# Altium PCB IMU_sensor.PcbDoc (part 2 of 2)
Units mm, origin at the board's own origin, x right, y up, seen from the top; angles counter-clockwise.
Board outline 32 x 32 mm, 4 copper layers (Top Layer, GND, GND (Mid2), Bottom Layer), stack 0.603 mm thick; 81 components, 82 nets, 327 pads, 88 vias.
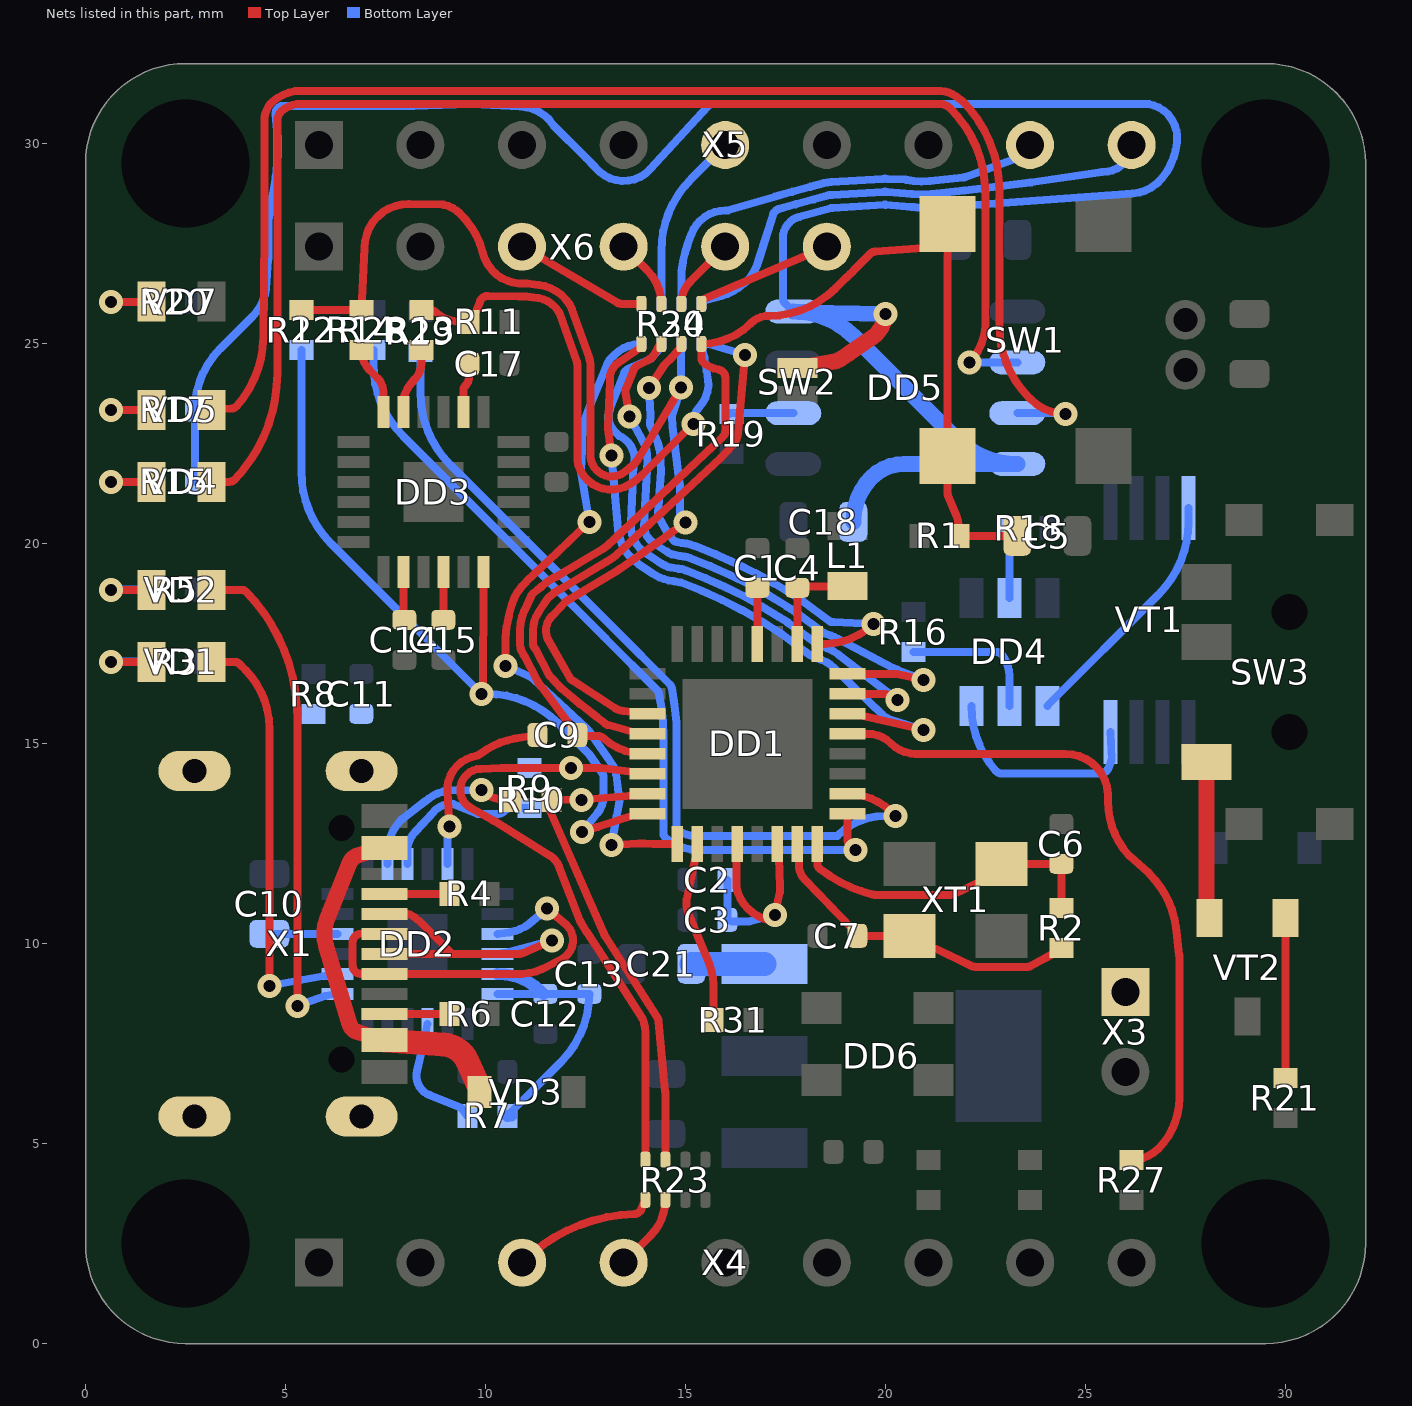
[diagram p4: the nets of this part, all layers, seen from the top]

## Via types
v1: diameter 0.6, hole 0.3, Top Layer to Bottom Layer, tented both sides, 79 vias
v2: diameter 0.6, hole 0.3, Top Layer to Bottom Layer, tented bottom, 9 vias

## Nets (pads, with @x,y where several pads share a name; then routed paths per layer and width w, separated by ;. In a path a pad name is that pad's centre, name@x,y a point inside that pad or via, vN(x,y) a via of type N, cw(c..) or ccw(c..) an arc to the next point about the centre after c; other vN are vias at no path point) (continued)
MCU_D5: DD1.9 R28.1 | length 20.9
  Top Layer w0.2: DD1.9@19.05,13.25 19.05,12.633 ccw(c19.25,12.633) 19.108,12.492 v1(19.25,12.35)
  Bottom Layer w0.2: R28.1@7.2,24.85 7.2,24.493 ccw(c9.74,24.493) 7.944,22.697 12.954,17.687 13,17.641 14.292,16.347 cw(c14.15,16.205) 14.346,16.246 cw(c9.1,15.198) 14.45,15.198 14.45,12.786 ccw(c14.65,12.787) 14.52,12.635 ccw(c15.295,13.545) 15.295,12.35 v1(19.25,12.35)
MCU_D6: DD1.10 R29.1 | length 21.4
  Top Layer w0.2: DD1.10@19.05,13.75 cw(c19.05,12.181) 20.16,13.29 v1(20.25,13.2)
  Bottom Layer w0.2: R29.1@8.378,24.8 8.378,23.775 ccw(c10.918,23.775) 9.122,21.978 13.229,17.871 14.613,16.486 cw(c14.472,16.344) 14.668,16.382 cw(c8.279,15.15) 14.775,15.528 14.775,12.9 ccw(c14.954,12.988) 14.838,12.826 ccw(c15.233,13.383) 15.233,12.7 18.8,12.7 cw(c20.007,11.493) 20.007,13.2 v1(20.25,13.2)
MCU_D9: DD1.13 R27.1 | length 17.5
  Top Layer w0.2: DD1.13@19.05,15.25 19.556,15.25 cw(c19.556,14.421) 20.143,15.007 ccw(c20.764,15.628) 20.762,14.75 24.499,14.75 cw(c24.499,13.674) 25.57,13.561 ccw(c27.545,13.548) 26.094,12.208 ccw(c26.24,12.345) 26.098,12.204 26.099,12.203 ccw(c26.24,12.345) 26.108,12.194 26.564,11.794 cw(c26.35,11.55) 26.596,11.762 26.742,11.592 cw(c26.497,11.379) 26.746,11.589 cw(c25.064,10.146) 27.263,10.417 27.349,9.721 cw(c27.15,9.697) 27.35,9.697 27.35,6.141 cw(c25.56,6.141) 26.826,4.876 cw(c26.16,5.542) R27.1@26.16,4.6
MCU_INT0_D2: DD1.32 DD3.12 R22.1 | length 20.5
  Top Layer w0.2: v1(9.9,16.25) ccw(c9.749,16.381) 9.949,16.381 9.95,19 DD3.12@9.95,19.3 ; v1(12.424,12.8) 12.799,12.92 cw(c12.86,12.729) 12.807,12.922 ccw(c12.756,13.115) 12.817,12.925 13.704,13.21 DD1.32@14.05,13.25
  Bottom Layer w0.2: R22.1@5.4,24.85 5.4,21.802 ccw(c7.94,21.802) 6.144,20.006 v1(9.9,16.25) 10.038,16.25 cw(c10.038,13.71) 11.834,15.506 12.595,14.745 12.917,14.281 cw(c12.753,14.167) 12.953,14.167 12.953,13.802 ccw(c13.153,13.802) 12.955,13.779 12.955,13.777 cw(c12.282,13.697) 12.806,13.267 v1(12.424,12.8)
MCU_INT1_D3: DD1.1 R24.2 | length 16.9
  Top Layer w0.2: v1(10.512,16.949) 10.5,17.628 cw(c10.7,17.631) 10.501,17.647 10.501,17.649 cw(c14.531,17.293) 10.663,18.479 cw(c11.912,18.089) 11.026,19.051 11.799,19.78 ccw(c11.661,19.926) 11.8,19.781 v1(12.6,20.55) ; v1(13.152,12.47) 13.838,12.509 cw(c13.849,12.309) 13.853,12.509 13.858,12.509 13.904,12.508 13.984,12.505 14.203,12.498 ccw(c14.209,12.698) 14.229,12.499 cw(c14.25,12.3) 14.25,12.5 DD1.1@14.8,12.5
  Bottom Layer w0.2: v1(10.512,16.949) 11.134,16.671 cw(c11.052,16.488) 11.188,16.635 ; 11.188,16.635 12.53,15.387 cw(c12.172,15.002) 12.602,15.304 13.044,14.676 cw(c12.88,14.561) 13.046,14.673 13.189,14.46 cw(c12.753,14.167) 13.274,14.232 13.347,13.66 ccw(c13.669,13.701) 13.347,13.657 13.349,13.644 ccw(c13.547,13.67) 13.35,13.637 13.351,13.635 cw(c13.154,13.6) 13.354,13.601 cw(c12.829,13.6) 13.344,13.501 13.286,13.199 ; 12.423,22.346 12.399,21.843 ccw(c12.923,21.817) 12.405,21.732 v1(12.6,20.55) ; 12.424,22.347 ccw(c12.224,22.355) 12.423,22.369 12.422,22.39 cw(c14.517,22.539) 12.601,23.4 ccw(c12.418,23.482) 12.603,23.405 12.978,24.307 13.079,24.549 ; 13.079,24.549 cw(c13.263,24.472) 13.122,24.613 13.229,24.72 cw(c13.9,24.049) 13.875,24.998 R24.2@13.9,24.998 ; v1(13.152,12.47) 13.28,13.168 cw(c13.477,13.132) 13.281,13.171 13.286,13.198
MCU_LED_D4: DD1.2 R31.1 | length 4.6
  Top Layer w0.2: DD1.2@15.3,12.5 15.26,12.15 15.037,11.11 ccw(c15.55,11) 15.064,10.802 15.315,10.186 15.596,9.508 cw(c14.334,8.984) 15.597,9.506 cw(c14.334,8.984) 15.7,8.984 R31.1@15.7,8.1
MCU_MISO_D12: DD1.16 R30.3 | length 15.1
  Top Layer w0.2: 13.52,23.88 ccw(c13.705,23.805) 13.508,23.771 v1(13.607,23.179) ; 13.52,23.881 13.71,24.352 cw(c13.896,24.277) 13.806,24.455 14.061,24.584 ccw(c13.971,24.763) 14.076,24.593 14.114,24.616 ccw(c13.963,24.861) 14.212,24.718 14.331,24.927 14.375,25.003 R30.3@14.4,24.998 ; DD1.16@19.05,16.75 20.251,16.75 cw(c20.251,16.55) 20.294,16.745 v1(20.95,16.6)
  Bottom Layer w0.2: v1(13.607,23.179) 13.936,22.58 cw(c13.106,22.124) 14.052,22.078 13.985,20.709 ccw(c14.185,20.701) 13.985,20.693 ; 13.985,20.693 cw(c13.461,20.674) 13.986,20.676 13.986,20.672 cw(c13.786,20.671) 13.986,20.669 cw(c13.461,20.674) 13.984,20.637 cw(c13.461,20.674) 13.975,20.568 ccw(c14.49,20.464) 14.154,20.06 ccw(c14.489,20.464) 14.195,20.029 14.197,20.028 ccw(c14.379,20.297) 14.2,20.026 14.539,19.802 ccw(c15.007,20.512) 14.64,19.745 14.642,19.744 ccw(c14.727,19.925) 14.693,19.728 14.867,19.699 ccw(c15.01,20.536) 14.878,19.697 14.96,19.684 14.972,19.682 cw(c14.827,18.844) 15.123,19.642 cw(c10.622,7.599) 17.537,18.437 17.62,18.384 17.725,18.316 cw(c17.257,17.606) 17.733,18.311 cw(c17.257,17.606) 17.767,18.287 18.409,17.807 cw(c16.258,14.922) 18.431,17.79 ccw(c18.552,17.95) 18.482,17.762 18.645,17.701 cw(c18.117,16.297) 18.825,17.62 20.19,16.892 ccw(c20.284,17.069) 20.213,16.882 ; 20.213,16.882 20.287,16.854 cw(c20.216,16.667) 20.301,16.848 ; 20.302,16.847 ccw(c20.389,17.027) 20.318,16.84 v1(20.95,16.6)
MCU_MOSI_D11: DD1.15 R24.4 | length 14.8
  Top Layer w0.2: DD1.15@19.05,16.25 19.938,16.25 cw(c19.938,15.738) v1(20.3,16.1)
  Bottom Layer w0.2: 13.64,20.503 13.655,20.821 13.709,21.97 ccw(c13.106,22.124) 13.344,22.699 13.235,22.809 cw(c13.607,23.179) 13.117,23.366 13.23,23.665 13.473,24.266 cw(c13.658,24.192) 13.577,24.374 14.098,24.606 ccw(c14.016,24.789) 14.167,24.658 14.18,24.673 14.375,24.898 R24.4@14.4,24.998 ; 13.64,20.503 ccw(c14.49,20.464) 13.647,20.35 ccw(c14.49,20.464) 13.947,19.809 ccw(c14.489,20.464) 14.018,19.757 ; 14.021,19.754 14.36,19.531 ccw(c15.007,20.512) 14.5,19.452 ccw(c14.727,19.925) 14.639,19.408 14.813,19.378 ccw(c15.01,20.536) 14.828,19.376 14.906,19.364 cw(c14.827,18.844) 15.01,19.337 cw(c10.622,7.599) 17.364,18.162 17.444,18.111 17.548,18.044 cw(c17.257,17.606) 17.55,18.042 cw(c17.257,17.606) 17.571,18.027 cw(c17.257,17.606) 17.574,18.025 18.213,17.548 18.236,17.531 ccw(c18.552,17.95) 18.366,17.459 18.532,17.397 cw(c18.117,16.297) 18.834,17.228 v1(20.3,16.1)
MCU_RESET: DD1.29 R1.2 R30.7 SW1.2 С5.1 С9.1 | length 31.2
  Top Layer w0.2: 10.863,17.515 ccw(c11.063,17.514) 10.864,17.494 10.866,17.476 ccw(c11.388,17.528) 10.941,17.253 10.958,17.225 cw(c10.512,16.949) 10.978,17.191 cw(c10.512,16.949) 10.978,17.19 11.291,16.589 ccw(c11.757,16.832) 11.336,16.518 12.175,15.395 С9.1@12.3,15.22 12.425,15.194 12.819,15.194 cw(c12.819,14.994) 12.953,15.143 ccw(c13.958,16.233) 13.7,14.772 DD1.29@14.05,14.753 ; 10.863,17.516 10.867,17.84 cw(c12.042,17.826) 10.973,18.315 11.147,18.695 cw(c11.329,18.612) 11.203,18.767 11.387,18.916 cw(c11.717,18.508) 11.407,18.932 ccw(c11.29,19.094) 11.421,18.943 11.512,19.022 cw(c11.857,18.626) 11.577,19.07 ; 11.577,19.07 11.634,19.106 cw(c11.913,18.661) 11.695,19.139 11.726,19.153 ; 11.727,19.153 11.767,19.171 ccw(c11.685,19.353) 11.787,19.182 12.955,19.882 ccw(c12.685,20.332) 13.045,19.95 15.937,22.673 ccw(c15.8,22.818) 16,22.818 16,24.157 ccw(c15.8,24.157) 15.834,24.354 cw(c15.967,25.145) 15.477,24.51 cw(c15.6,24.668) 15.4,24.667 R30.7@15.4,24.998 ccw(c15.4,26.753) 16.641,25.512 cw(c17.09,25.064) 17.09,25.698 ccw(c17.09,28.056) 18.757,26.389 19.011,26.642 ccw(c18.905,26.812) 19.046,26.67 19.111,26.735 cw(c19.253,26.594) 19.124,26.747 19.126,26.749 ccw(c18.538,27.43) 19.222,26.846 cw(c19.374,26.715) 19.233,26.857 19.631,27.255 ; 19.631,27.256 cw(c19.772,27.113) 19.757,27.312 20.95,27.4 SW1.2@21.55,28 SW1.2@21.55,22.2 21.55,21.294 ccw(c21.75,21.294) 21.565,21.217 21.772,20.718 cw(c20.826,20.326) 21.847,20.4 R1.2@21.85,20.2 С5.1@23.3,20.2
MCU_RX_D0: DD1.30 R9.2 R23.2 | length 17.1
  Top Layer w0.2: 10.215,13.074 10.213,13.074 cw(c10.279,13.263) 10.18,13.089 9.642,13.393 cw(c9.9,13.85) 9.881,14.375 10.404,14.394 cw(c10.413,14.194) 10.406,14.394 cw(c10.413,14.194) 10.413,14.394 11.494,14.396 v1@12.195,14.4 ; 10.215,13.073 cw(c10.147,12.885) 10.253,13.055 11.628,12.195 cw(c11.35,11.75) 11.84,11.938 12.365,10.583 ccw(c12.551,10.656) 12.384,10.547 cw(c11.669,10.087) 12.398,10.524 ; v1@12.193,14.397 12.873,14.394 cw(c12.872,14.194) 12.895,14.393 ; 12.398,10.523 12.536,10.295 ccw(c12.707,10.398) 12.54,10.289 12.969,9.634 cw(c12.802,9.524) 12.97,9.632 13.068,9.48 13.921,8.149 cw(c13.752,8.041) 13.936,8.12 cw(c13.147,7.797) 14,7.797 R23.2@14,4.602 ; 12.897,14.393 13.7,14.29 DD1.30@14.05,14.25
  Bottom Layer w0.2: R9.2@11.1,14.4 v1(12.145,14.4)
MCU_SCK_D13: DD1.17 R30.5 | length 12.4
  Top Layer w0.2: v1(14.092,23.89) 14.468,24.456 cw(c14.635,24.345) 14.494,24.487 14.665,24.656 ccw(c14.463,24.861) 14.68,24.673 14.875,24.898 R30.5@14.9,24.998 ; DD1.17@18.3,17.5 18.493,17.5 ccw(c18.493,19.207) v1(19.7,18)
  Bottom Layer w0.2: v1(14.092,23.89) 14.131,23.209 cw(c13.607,23.179) 14.12,23.069 ccw(c14.316,23.026) 14.129,22.955 ; 14.129,22.954 ccw(c14.316,23.026) 14.133,22.945 14.268,22.642 cw(c13.106,22.124) 14.377,22.064 14.395,21.8 14.315,20.763 ; 14.315,20.762 ccw(c14.515,20.748) 14.341,20.648 14.555,20.275 ccw(c15.01,20.536) 14.615,20.19 14.718,20.074 ccw(c14.827,20.241) 14.789,20.045 14.909,20.021 ccw(c15.01,20.536) 14.928,20.018 15.009,20.005 ; 15.01,20.005 cw(c14.96,19.684) 15.013,20.005 15.025,20.003 cw(c14.827,18.844) 15.238,19.946 cw(c10.622,7.599) 17.708,18.713 17.794,18.658 cw(c17.62,18.384) 17.796,18.657 17.798,18.656 17.901,18.589 cw(c13.004,11.181) 17.911,18.583 cw(c17.257,17.606) 17.962,18.547 18.59,18.078 ccw(c18.709,18.238) 18.7,18.039 v1(19.7,18)
MCU_SCL_A5: DD1.28 R11.1 R13.1 R24.8 | length 28.3
  Top Layer w0.2: R13.1@8.4,25.85 8.608,25.85 cw(c8.607,25.65) 8.738,25.801 ccw(c9.422,26.587) 9.45,25.545 R11.1@9.598,25.56 ; R11.1@9.618,25.561 9.75,25.75 9.869,26.064 cw(c10.056,25.993) 10.056,26.193 cw(c10.056,25.993) 10.058,26.193 10.84,26.183 cw(c10.837,25.983) 10.842,26.183 10.882,26.182 ccw(c10.916,27.514) 10.983,26.183 cw(c10.993,25.984) 11.028,26.18 ccw(c11.501,28.797) 11.205,26.155 cw(c11.204,25.41) 11.839,25.798 cw(c11.669,25.694) 11.857,25.76 12.288,24.552 cw(c12.1,24.484) 12.3,24.484 12.3,22.748 ccw(c12.5,22.749) 12.302,22.723 cw(c11.955,22.675) 12.305,22.675 12.305,22.425 cw(c11.955,22.425) 12.303,22.386 12.303,22.383 ccw(c12.825,22.332) 12.3,22.33 12.3,22.116 ccw(c12.5,22.117) 12.302,22.088 ccw(c13.152,22.212) 13.623,21.494 ccw(c12.9,22.749) 13.924,21.724 v1(15.2,23) ; 11.75,18.795 ccw(c11.857,18.626) 11.726,18.777 11.635,18.698 cw(c11.29,19.094) 11.599,18.67 ccw(c11.719,18.509) 11.553,18.621 11.338,18.302 ccw(c12.042,17.826) 11.192,17.836 11.188,17.529 ccw(c11.388,17.528) 11.219,17.422 11.235,17.395 cw(c10.512,16.949) 11.265,17.343 ccw(c11.443,17.433) 11.266,17.341 11.58,16.739 ccw(c11.757,16.832) 11.612,16.694 11.911,16.382 ccw(c12.055,16.52) 11.925,16.368 12.358,16.001 ccw(c12.486,16.154) 12.363,15.996 ; 11.751,18.795 11.807,18.831 cw(c11.913,18.661) 11.831,18.843 11.862,18.857 ; 11.863,18.858 11.903,18.876 ; 11.903,18.876 ccw(c11.685,19.353) 11.918,18.883 ccw(c11.685,19.353) 11.955,18.903 13.122,19.603 ccw(c12.685,20.332) 13.263,19.709 15.886,22.142 ccw(c15.75,22.289) 15.896,22.152 16.183,22.46 ccw(c15.8,22.818) 16.323,22.773 v1(16.494,24.724) ; 12.364,15.996 12.8,15.659 cw(c12.68,15.5) 12.803,15.657 ; 12.804,15.657 12.99,15.509 ccw(c13.115,15.665) 13.061,15.473 13.724,15.29 DD1.28@14.05,15.25
  Bottom Layer w0.2: v1(15.2,23) cw(c15.74,23.034) 15.337,23.395 ccw(c14.614,24.041) 15.578,23.939 15.578,23.94 ccw(c15.379,23.958) 15.578,23.976 ccw(c9.91,23.471) R24.8@15.392,24.996 ; R24.8@15.4,24.998 15.548,24.998 cw(c15.547,24.798) 15.605,24.99 v1(16.494,24.724)
MCU_SDA_A4: DD1.27 R12.1 R14.1 R24.6 | length 30.2
  Top Layer w0.2: R12.1@5.4,25.85 R14.1@6.9,25.85 6.985,27.397 cw(c8.08,27.4) 8.092,28.495 8.93,28.481 cw(c8.926,28.281) 8.975,28.475 cw(c8.763,27.625) 9.374,28.252 cw(c7.925,26.766) 9.939,27.267 ccw(c10.916,27.514) 11.001,26.51 ; 11.001,26.51 cw(c11.017,26.311) 11.043,26.509 11.341,26.471 cw(c11.204,25.41) 12.117,25.966 cw(c11.669,25.694) 12.163,25.872 12.595,24.659 cw(c12.1,24.484) 12.625,24.489 12.63,24.015 12.63,22.425 cw(c11.955,22.425) 12.626,22.353 ; 12.626,22.352 ccw(c12.825,22.332) 12.625,22.319 12.634,22.175 ccw(c13.158,22.206) 13.491,21.801 13.493,21.802 13.685,21.962 ccw(c13.263,22.473) 13.846,22.157 cw(c14.021,22.06) 13.85,22.163 v1(14.892,23.905) ; DD1.27@14.05,15.75 13.7,15.79 13.682,15.791 cw(c13.718,16.315) 13.658,15.793 13.461,15.816 cw(c13.521,16.337) 13.257,15.883 13.256,15.884 cw(c13.357,16.057) 13.249,15.889 12.183,16.578 cw(c12.292,16.746) 12.119,16.645 11.587,17.564 cw(c12.042,17.826) 11.664,18.19 12.012,18.553 cw(c12.156,18.414) 12.074,18.596 12.076,18.597 ccw(c11.994,18.78) 12.097,18.608 13.289,19.324 ccw(c12.685,20.332) 13.355,19.366 14.438,20.118 ccw(c14.324,20.282) 14.442,20.121 v1(15.01,20.536)
  Bottom Layer w0.2: 14.838,21.599 14.679,22.939 cw(c15.2,23) 14.676,22.965 14.664,23.148 cw(c14.864,23.16) 14.673,23.22 v1(14.892,23.905) ; 14.838,21.599 ccw(c15.037,21.621) 14.85,21.551 14.85,21.55 cw(c14.663,21.478) 14.863,21.478 14.863,20.765 ccw(c15.063,20.766) 14.921,20.625 v1(15.01,20.536) ; v1@14.898,23.906 v1(14.892,23.905) ; R24.6@14.9,24.998 14.892,24.898 v1(14.892,23.905)
MCU_SS_D10: DD1.14 R30.1 | length 16.3
  Top Layer w0.2: v1(13.158,22.206) 13.073,22.876 cw(c13.271,22.901) 13.072,22.908 13.114,24.045 ccw(c12.914,24.053) 13.114,24.047 13.119,24.186 cw(c13.319,24.179) 13.123,24.222 cw(c13.613,24.113) 13.333,24.529 R30.1@13.874,24.898 ; DD1.14@19.05,15.75 19.4,15.71 v1(20.95,15.35)
  Bottom Layer w0.2: v1(13.158,22.206) 13.319,20.362 ccw(c14.49,20.464) 13.357,20.151 ccw(c14.49,20.464) 13.843,19.483 14.181,19.26 ccw(c15.007,20.512) 14.358,19.16 ccw(c14.727,19.925) 14.584,19.087 14.69,19.069 14.739,19.061 14.898,19.032 cw(c10.622,7.599) 17.379,17.764 ; 17.38,17.763 cw(c17.267,17.598) 17.387,17.759 18.016,17.289 18.04,17.271 ccw(c18.552,17.95) 18.253,17.154 18.416,17.093 cw(c18.117,16.297) 18.708,16.908 19.931,15.727 ; 19.931,15.726 ccw(c20.3,16.1) 20.145,15.598 v1(20.95,15.35)
MCU_TX_D1: DD1.31 R10.2 R23.4 | length 11.9
  Top Layer w0.2: R10.2@11.65,13.6 11.602,13.4 ccw(c11.802,13.407) 11.619,13.326 12.962,10.259 ccw(c13.443,10.469) 12.999,10.189 13.001,10.187 14.304,8.153 cw(c14.136,8.045) 14.335,8.064 14.499,6.305 cw(c14.3,6.286) 14.5,6.286 R23.4@14.5,4.602 ; R10.2@11.8,13.607 11.811,13.607 v1(12.4,13.6) 12.409,13.601 13.7,13.71 DD1.31@14.05,13.75
MISO_D12: R30.4 X6.4 | length 1.8
  Top Layer w0.2: X6.4@13.458,27.43 14.055,26.833 cw(c13.222,26) R30.4@14.4,26
MOSI_D11: R24.3 X5.5 | length 4.5
  Bottom Layer w0.2: R24.3@14.4,26 14.4,27.32 cw(c16.94,27.32) 15.144,29.116 X5.5@15.998,29.97
NetDD1_4: DD1.4 DD1.6 С2.2 С3.2 | length 6.6
  Top Layer w0.2: 16.275,11.451 ccw(c16.475,11.452) 16.278,11.416 ccw(c17.303,11.618) 16.966,10.63 17.2,10.55 17.363,11.287 ccw(c16.85,11.4) 17.374,11.425 17.34,12.15 DD1.6@17.3,12.5 ; 16.275,11.452 16.275,12.15 DD1.4@16.3,12.5
  Bottom Layer w0.2: С2.2@16.05,11.6 С3.2@16.05,10.6 16.175,10.552 16.25,10.552 16.54,10.552 ccw(c16.539,10.752) 16.589,10.558 v1(17.239,10.725)
NetDD1_7: DD1.7 R2.2 XT1.3 С7.2 | length 8.3
  Top Layer w0.2: DD1.7@17.8,12.5 17.84,12.15 17.84,11.972 ccw(c18.365,11.972) 17.987,11.608 19.175,10.375 С7.2@19.3,10.2 XT1.3@20.6,10.2 21.15,9.933 22.144,9.452 cw(c22.056,9.272) 22.147,9.45 ccw(c22.25,9.65) 22.25,9.425 23.55,9.425 ccw(c23.55,9.65) 23.658,9.453 24.2,9.75 R2.2@24.4,9.9
NetDD1_8: DD1.8 R2.1 XT1.1 С6.2 | length 8.1
  Top Layer w0.2: DD1.8@18.3,12.5 18.3,12.017 ccw(c18.5,12.018) 18.378,11.86 ccw(c20.567,14.729) 19.682,11.23 19.684,11.23 ccw(c19.728,11.425) 19.727,11.225 21.649,11.225 ccw(c21.649,11.425) 21.737,11.245 22.366,11.55 XT1.1@22.9,12 С6.2@24.28,12 ; R2.1@24.4,10.9 С6.2@24.4,12
NetDD1_18: DD1.18 L1.1 С4.2 | length 2.7
  Top Layer w0.2: DD1.18@17.8,17.5 С4.2@17.8,18.9 17.975,18.934 18.65,18.934 L1.1@19.05,18.95
NetDD1_20: DD1.20 С1.2 | length 1.4
  Top Layer w0.2: DD1.20@16.8,17.5 С1.2@16.8,18.9
NetDD2_3: DD2.3 X1.4 X1.6 | length 10
  Top Layer w0.2: X1.4@7.487,10.25 7.012,10.276 6.846,10.241 ccw(c6.887,10.046) 6.687,10.046 6.687,9.45 ccw(c6.887,9.45) 6.887,9.25 X1.6@7.487,9.25 10.922,9.25 ccw(c10.923,10.36) 11.428,9.371 11.938,9.632 ccw(c11.847,9.81) 11.959,9.645 11.982,9.66 ; v1(11.548,10.878) 12.022,10.477 cw(c11.893,10.325) 12.031,10.469 12.032,10.468 ; 11.983,9.661 ccw(c11.869,9.825) 12.012,9.686 12.046,9.721 ccw(c11.903,9.86) 12.056,9.731 12.068,9.745 ccw(c11.669,10.087) 12.064,10.432 12.044,10.456 ccw(c11.893,10.324) 12.033,10.468
  Bottom Layer w0.2: DD2.3@10.3,10.25 10.6,10.281 ccw(c10.3,11.699) 11.003,10.432 ccw(c10.906,10.607) 11.034,10.453 v1(11.548,10.878)
NetDD2_4: DD2.4 X1.3 X1.5 | length 7.7
  Top Layer w0.2: X1.5@7.487,9.75 10.855,9.75 ccw(c10.855,9.95) 10.935,9.767 v1(11.669,10.087) ; X1.3@7.487,10.75 7.962,10.787 cw(c7.677,9.826) 8.386,10.535 8.444,10.477 9.171,9.75
  Bottom Layer w0.2: DD2.4@10.3,9.75 10.6,9.8 v1(11.669,10.087)
NetDD2_5: DD2.5 DD2.6 R7.2 С12.2 С13.2 | length 7.5
  Bottom Layer w0.2: DD2.6@10.3,8.75 11.45,8.75 С12.2@11.5,8.75 С13.2@12.6,8.75 cw(c10.186,8.75) 11.893,7.043 R7.2@10.55,5.7
  Bottom Layer w0.3: DD2.5@10.3,9.25 cw(c10.3,7.681) 11.41,8.79 С12.2@11.45,8.75 ; R7.2@10.55,5.7 R7.2@10.65,5.706
NetDD2_9: DD2.9 R7.1 | length 3.1
  Bottom Layer w0.2: DD2.9@8.55,8 8.5,7.7 8.296,6.821 ccw(c8.807,6.701) 8.613,6.214 9.4,5.9 R7.1@9.55,5.7
NetDD2_13: DD2.13 VD2.2 | length 12.6
  Top Layer w0.2: VD2.2@3.15,18.85 3.891,18.85 cw(c3.89,18.65) 4.033,18.789 cw(c0.772,15.648) 5.3,15.671 5.3,15.648 ; v1(5.3,8.45) 5.3,15.647
  Bottom Layer w0.2: v1(5.3,8.45) 6,8.7 DD2.13@6.3,8.75
NetDD2_14: DD2.14 VD1.2 | length 10.7
  Top Layer w0.2: VD1.2@3.15,17.05 3.717,17.05 cw(c3.717,16.85) 3.859,16.991 3.999,16.851 cw(c2.551,15.401) 4.6,15.401 v1(4.6,8.95)
  Bottom Layer w0.2: v1(4.6,8.95) 6,9.2 DD2.14@6.3,9.25
NetDD2_16: DD2.16 С10.2 | length 1.7
  Bottom Layer w0.2: С10.2@4.6,10.25 DD2.16@6.3,10.25
NetDD2_20: DD2.20 R10.1 | length 4.2
  Top Layer w0.2: v1(9.9,13.85) ccw(c10.504,14.454) 10.504,13.6 R10.1@10.65,13.6
  Bottom Layer w0.2: DD2.20@7.55,12 7.55,12.255 cw(c8.745,12.255) 7.9,13.1 cw(c8.042,12.959) 7.92,13.118 8.512,13.571 8.59,13.631 cw(c9.178,12.867) 9.075,13.825 cw(c9.13,13.303) 9.115,13.828 v1(9.9,13.85)
NetDD2_21: DD2.21 R9.1 | length 4.1
  Bottom Layer w0.2: DD2.21@8.05,12 8.05,12.317 cw(c8.733,12.317) 8.25,12.8 ccw(c8.109,12.941) 8.256,12.806 8.713,13.304 cw(c9.178,12.867) 9.109,13.502 cw(c9.13,13.303) 9.205,13.489 9.8,13.25 10.329,13.25 ccw(c10.329,13.421) 10.45,13.3 cw(c10.691,13.059) 10.691,13.4 R9.1@11.1,13.4
NetDD2_23: DD2.23 С9.2 | length 4.7
  Top Layer w0.2: v1(9.104,12.937) 9.052,13.798 cw(c9.9,13.85) 9.657,14.664 9.803,14.708 ccw(c9.747,14.9) 9.871,14.743 cw(c11.052,13.25) 10.743,15.129 10.745,15.129 11.175,15.199 С9.2@11.3,15.22
  Bottom Layer w0.2: DD2.23@9.05,12 9.05,12.806 cw(c9.234,12.806) v1(9.104,12.937)
NetDD3_8: DD3.8 С14.2 | length 1.3
  Top Layer w0.2: DD3.8@7.95,19.3 7.95,19 7.95,18.357 ccw(c8.15,18.358) 7.993,18.235 8,18.225 С14.2@8.125,18.1
NetDD3_10: DD3.10 С15.2 | length 1.2
  Top Layer w0.2: DD3.10@8.95,19.28 8.95,18.333 ccw(c9.15,18.333) 8.96,18.27 8.975,18.225 С15.2@9.1,18.1
NetDD3_20: DD3.20 С17.2 | length 1.2
  Top Layer w0.2: DD3.20@9.45,23.3 9.45,23.829 cw(c9.621,23.829) 9.5,23.95 ccw(c9.259,24.191) 9.6,24.191 С17.2@9.6,24.5
NetDD4_1: DD4.1 VT1.4 | length 6.3
  Bottom Layer w0.2: DD4.1@24.05,15.95 26.831,18.731 ccw(c25.035,20.527) 27.575,20.527 VT1.4@27.575,20.9
NetDD4_2: DD4.2 R16.1 | length 3.6
  Bottom Layer w0.2: R16.1@20.7,17.3 22.762,17.3 cw(c22.761,17.1) 22.917,17.224 cw(c22.246,16.696) 23.1,16.696 DD4.2@23.1,15.95
NetDD4_3: DD4.3 VT1.5 | length 5.6
  Bottom Layer w0.2: DD4.3@22.15,15.95 ccw(c24.61,15.95) 22.764,14.323 ccw(c22.914,14.456) 22.913,14.256 25.386,14.256 ccw(c25.386,14.456) 25.571,14.379 VT1.5@25.662,14.599 ; VT1.5@25.625,15.3 VT1.5@25.662,14.6
NetDD4_5: DD4.5 R18.1 | length 1.8
  Bottom Layer w0.2: DD4.5@23.1,18.65 R18.1@23.1,20.4
NetDD5_2: DD5.2 R19.2 | length 1.6
  Bottom Layer w0.2: R19.2@16.1,23.25 cw(c16.136,23.214) 16.136,23.265 DD5.2@17.7,23.265
NetDD5_4: DD5.4 DD5.8 R15.2 R17.2 SW2.1 С18.1 | length 64.5
  Top Layer w0.4: SW2.1@17.8,24.4 18.1,24.45 18.726,24.555 ccw(c18.659,24.949) 18.885,24.618 19.093,24.761 19.689,25.169 ccw(c19.303,25.731) 19.973,25.604 v1(20,25.75)
  Bottom Layer w0.2: R15.2@2.743,21.555 R17.2@2.743,23.355 cw(c4.885,23.355) 3.37,24.87 4.194,25.694 ccw(c3.395,26.492) 4.517,26.364 ; 4.517,26.365 cw(c4.716,26.343) 4.518,26.369 ccw(c4.319,26.393) 4.519,26.378 4.574,27.111 ccw(c4.05,27.15) 4.575,27.15 4.575,28.004 cw(c5.1,28.004) 4.582,28.09 4.762,29.169 ccw(c2.982,29.466) 4.77,29.222 ccw(c2.982,29.466) 4.78,29.313 ; 4.78,29.314 ccw(c-2.249,29.908) 4.77,30.611 4.758,30.73 cw(c4.957,30.75) 4.955,30.95 ; 4.956,30.95 8.205,30.95 ccw(c8.204,31.15) 8.211,30.95 ; 8.211,30.95 9.634,31 cw(c9.641,30.8) 9.651,31 ; 9.652,31 10.875,30.933 ; 10.876,30.932 10.879,30.932 cw(c10.818,29.865) 11.706,30.46 12.518,29.649 12.732,29.434 cw(c12.591,29.292) 12.748,29.416 ccw(c13.458,29.97) 14.123,29.363 15.571,30.941 cw(c15.712,30.8) 15.712,31 26.457,31 cw(c26.458,30.18) 26.961,30.827 cw(c26.423,30.134) 27.296,30.038 cw(c25.572,30.232) 26.909,29.127 cw(c26.124,29.774) 26.187,28.759 21.215,28.395 cw(c21.202,28.594) 21.195,28.394 ; DD5.4@17.7,25.805 17.498,26.007 cw(c17.64,26.148) 17.44,26.148 17.44,27.64 cw(c17.994,27.641) 17.849,28.175 ; 17.85,28.175 18.643,28.391 cw(c18.695,28.198) 18.685,28.398 19.978,28.476 cw(c19.991,28.276) 20.001,28.476 cw(c19.992,28.276) 20.009,28.475 20.657,28.419 ccw(c20.9,31.209) 20.788,28.411 21.194,28.394
  Bottom Layer w0.4: DD5.4@17.848,25.793 DD5.4@17.7,25.805 cw(c17.7,23.644) 19.228,25.172 21.772,22.628 ccw(c23.3,24.156) DD5.8@23.3,21.995 20.469,21.995 ccw(c20.469,20.85) 19.66,21.66 ccw(c20.769,20.55) С18.1@19.2,20.55 ; DD5.4@17.849,25.793 18.045,25.779 ccw(c18.075,26.177) 18.071,25.777 v1(20,25.75)
NetDD5_6: DD5.6 VD4.1 | length 34.8
  Top Layer w0.2: VD4.1@3.15,21.55 3.598,21.55 ccw(c3.597,21.75) 3.741,21.611 ccw(c0.979,24.252) 4.8,24.252 4.8,30.59 cw(c5,30.59) 4.815,30.666 4.844,30.734 cw(c5.029,30.659) 4.896,30.809 cw(c5.404,30.232) 5.404,31 21.338,31 cw(c21.338,30.583) 21.633,30.878 cw(c19.539,28.784) 22.5,28.783 22.5,25.501 cw(c21.134,25.501) v1(22.1,24.535)
  Bottom Layer w0.2: v1(22.1,24.535) DD5.6@23.3,24.535
NetDD5_7: DD5.7 VD5.1 | length 36
  Top Layer w0.2: VD5.1@3.15,23.35 3.4,23.366 3.656,23.383 ccw(c3.643,23.582) 3.793,23.45 ccw(c1.816,25.194) 4.452,25.172 ; 4.452,25.172 4.475,27.799 ccw(c4.275,27.801) 4.475,27.801 4.475,30.59 cw(c5,30.59) 4.515,30.79 4.543,30.859 cw(c5.029,30.659) 4.675,31.047 4.678,31.049 cw(c5.404,30.232) 5.404,31.325 5.456,31.325 21.338,31.325 cw(c21.338,30.583) 21.369,31.324 21.378,31.324 ccw(c21.395,31.523) 21.382,31.324 cw(c21.338,30.583) 21.783,31.177 21.932,31.066 ; 21.933,31.065 cw(c19.719,28.851) 22.85,28.85 22.85,25.452 ccw(c25.39,25.452) 23.594,23.656 23.646,23.604 ccw(c24.5,24.457) v1(24.5,23.25)
  Bottom Layer w0.2: DD5.7@23.3,23.265 24.464,23.265 cw(c24.464,23.214) v1(24.5,23.25)
NetR3_1: R3.1 VD1.1 | length 2.1
  Top Layer w0.2: v1(0.639,17.045) 1.645,17.045 VD1.1@1.65,17.05
  Bottom Layer w0.2: v1(0.639,17.045) cw(c0.663,17.021) 0.663,17.055 R3.1@1.743,17.055
NetR4_1: R4.1 X1.2 | length 1.6
  Top Layer w0.2: X1.2@7.487,11.25 R4.1@9.1,11.25
NetR5_1: R5.1 VD2.1 | length 2.1
  Top Layer w0.2: v1(0.639,18.845) 1.645,18.845 VD2.1@1.65,18.85
  Bottom Layer w0.2: v1(0.639,18.845) cw(c0.663,18.821) 0.663,18.855 R5.1@1.743,18.855
NetR6_1: R6.1 X1.8 | length 1.6
  Top Layer w0.2: X1.8@7.487,8.25 R6.1@9.1,8.25
NetR8_2: R8.2 X1.TP С11.2
NetR15_1: R15.1 VD4.2 | length 2.1
  Top Layer w0.2: v1(0.639,21.55) VD4.2@1.65,21.55
  Bottom Layer w0.2: v1(0.639,21.55) 1.593,21.55 R15.1@1.743,21.555
NetR17_1: R17.1 VD5.2 | length 2.1
  Top Layer w0.2: v1(0.639,23.35) VD5.2@1.65,23.35
  Bottom Layer w0.2: v1(0.639,23.35) 1.593,23.35 R17.1@1.743,23.355
NetR20_1: R20.1 VD7.1 | length 2.1
  Top Layer w0.2: v1(0.639,26.05) 1.645,26.05 VD7.1@1.65,26.055
  Bottom Layer w0.2: v1(0.639,26.05) 1.593,26.05 R20.1@1.743,26.005
NetR21_1: R21.1 VT2.1 | length 4
  Top Layer w0.2: R21.1@30,6.65 VT2.1@30,10.65
NetSW3_3: SW3.3 VT2.2 | length 3.9
  Top Layer w0.4: SW3.3@28.025,14.55 28.025,10.831 ccw(c28.281,10.831) VT2.2@28.1,10.65
NetVD3_2: VD3.2 X1.9 | length 9.3
  Top Layer w0.4: X1.9@7.487,7.6 7.112,7.7 6.818,7.789 cw(c6.912,8.1) 6.6,8.007 6.016,9.972 cw(c6.95,10.25) 6.045,10.613 6.61,12.021 cw(c6.912,11.9) 6.818,12.211 7.112,12.3 X1.9@7.487,12.4
  Top Layer w0.6: X1.9@7.499,7.587 8.947,7.485 cw(c8.896,6.762) 9.559,7.056 9.85,6.4 VD3.2@9.85,6.3
RESET: R30.8 X6.6 | length 3.5
  Top Layer w0.2: R30.8@15.4,26 15.425,26.1 X6.6@18.538,27.43
RX_D0: R23.1 X4.3 | length 3.6
  Top Layer w0.2: X4.3@10.92,2.03 cw(c13.853,-0.903) 13.725,3.243 ccw(c13.718,3.443) 13.903,3.366 13.975,3.54 R23.1@14,3.6
SCK_D13: R30.6 X6.5 | length 1.9
  Top Layer w0.2: R30.6@14.9,26 cw(c15.702,26) 15.135,26.567 X6.5@15.998,27.43
SCL: DD3.23 R13.2 | length 1.9
  Top Layer w0.2: DD3.23@7.95,23.062 7.952,23.6 cw(c8.462,23.55) 7.99,23.748 cw(c9.039,23.311) 8.236,24.115 ccw(c7.838,24.512) 8.4,24.512 R13.2@8.4,24.85
SCL_A5: R24.7 X5.9 | length 12.6
  Bottom Layer w0.2: R24.7@15.4,26 15.425,26.065 15.89,26.193 ccw(c15.503,27.599) 16.612,26.652 ccw(c15.836,27.315) 16.791,26.955 ccw(c16.604,27.025) 16.794,26.964 16.855,27.155 ccw(c15.998,27.43) 16.856,27.158 17.199,28.235 cw(c17.389,28.174) 17.337,28.367 ccw(c17.249,28.68) 17.339,28.368 17.751,28.485 cw(c17.994,27.641) 17.765,28.489 18.21,28.61 ; 18.21,28.61 ccw(c18.128,28.925) 18.213,28.611 18.558,28.705 cw(c18.695,28.198) 18.665,28.723 19.958,28.8 cw(c19.991,28.276) 20.021,28.8 cw(c19.992,28.276) 20.039,28.799 20.671,28.744 ccw(c20.9,31.209) 21.154,28.746 21.974,28.831 ccw(c21.92,29.353) 21.985,28.832 ; 21.986,28.832 23.621,29.035 cw(c23.645,28.836) 23.637,29.036 ; 23.638,29.036 ccw(c23.632,29.236) 23.661,29.038 25.424,29.289 25.568,29.31 ccw(c25.468,29.993) X5.9@26.158,29.97
SDA: DD3.24 R14.2 | length 1.7
  Top Layer w0.2: R14.2@6.9,24.85 ccw(c7.624,24.85) 7.112,24.338 7.3,24.15 cw(c6.938,23.788) 7.45,23.788 DD3.24@7.45,23.3
SDA_A4: R24.5 X5.8 | length 10.9
  Bottom Layer w0.2: R24.5@14.9,26 14.9,26.598 cw(c17.44,26.598) 15.054,27.47 15.152,27.738 cw(c15.998,27.43) 16.006,28.33 ; 16.007,28.33 ccw(c16.008,28.53) 16.033,28.332 ccw(c16.008,28.53) 16.063,28.338 17.246,28.679 cw(c17.335,28.367) 17.247,28.68 cw(c17.335,28.367) 17.249,28.68 17.663,28.798 cw(c17.994,27.641) 17.679,28.803 18.128,28.925 cw(c18.538,27.43) 18.132,28.926 18.149,28.931 18.474,29.019 cw(c18.695,28.198) 18.642,29.047 19.938,29.124 cw(c19.991,28.276) 20.038,29.125 20.509,29.101 cw(c20.499,28.902) 20.553,29.094 20.557,29.093 ccw(c20.786,29.964) 20.704,29.067 ccw(c20.9,31.209) 21.12,29.07 21.941,29.154 ccw(c21.92,29.353) 21.99,29.165 23.425,29.693 ccw(c23.356,29.881) 23.538,29.797 X5.8@23.618,29.97
SS_D10: R30.2 X6.3 | length 3.4
  Top Layer w0.2: X6.3@10.918,27.43 13.298,26.028 ccw(c13.4,26.2) 13.324,26.015 ; 13.325,26.015 ccw(c13.4,26.2) 13.4,26 R30.2@13.9,26
TX_D1: R23.3 X4.4 | length 1.9
  Top Layer w0.2: X4.4@13.46,2.03 14.125,2.695 ccw(c13.22,3.6) R23.3@14.5,3.6
VIN: DD6.3 X3.1 С21.2 | length 1.8
  Bottom Layer w0.6: С21.2@15.15,9.5 15.2,9.5 16.2,9.5 DD6.3@16.975,9.5
pads on no net: DD1.11 DD1.12 DD1.19 DD1.22 DD1.33 DD2.1 DD2.10 DD2.11 DD2.12 DD2.15 DD2.17 DD2.18 DD2.19 DD2.22 DD2.24 DD3.1 DD3.2 DD3.3 DD3.4 DD3.5 DD3.6 DD3.7 DD3.9 DD3.11 DD3.14 DD3.15 DD3.16 DD3.17 DD3.19 DD3.21 DD3.22 DD4.4 DD6.4 SW3.0 SW3.2 SW3.13 SW3.14 VD8.2 VT1.1 VT1.8 X1. X1.1 X1.7 XT1.2 XT1.4
copper on no net:
  other v2: 15.45,13.9 16.55,13.9 17.65,13.9 15.45,15 16.55,15 17.65,15 17.617,16.072 15.45,16.1 16.55,16.1

## Polygon pours and split planes (outlines as drawn)
+5В on Bottom Layer "+5В_L04_P002" (solid, pour order 2): 28.754,7.074 28.265,6.855 ccw(c28.483,6.368) 27.95,6.368 27.95,5.615 ccw(c28.335,5.615) 28.482,5.26 28.975,5.464 ccw(c28.713,6.099) 29.4,6.099 29.4,6.656 ccw(c28.941,6.656)
GND on Bottom Layer "GND_L04_P033" (solid, remove dead copper, pour order 33): 0,0 0,32 32,32 32,0
VIN on Bottom Layer "VIN_L04_P027" (solid, pour order 27): 14.8,10 14.8,9 18.05,9 21.55,9.05 24.3,9.05 24.55,8.75 24.55,8.45 27.35,8.45 27.35,10.2 26.75,10.8 19.103,10.8 18.05,10 15.9,10
GND on Bottom Layer "GND_L04_P026" (solid, pour order 26): 13.95,5.6 15.9,5.6 15.9,5.4 18.4,5.4 21.35,5.15 24.3,5.15 24.55,5.4 24.55,7.15 27.35,7.15 27.35,5.4 25.7,3.75 14.539,3.75 13.95,4.15
+5В on Bottom Layer "+5В_L04_P024" (solid, pour order 24): 12.4,5.85 13.6,5.85 14,6.4 15.495,6.095 18.762,6.095 18.762,8.3 15.232,8.3 14.84,7.595 13.845,7.595 13.15,6.9 12.65,6.9 12.4,6.65
NetR8_2 on Bottom Layer "NETR8_2_L04_P021" (solid, pour order 21): 0,4.65 8.45,4.65 8.45,15.1 7.2,16 5.115,16 4.215,15.35 0,15.35
GND on Bottom Layer "GND_L04_P018" (solid, pour order 18): 27.624,13.046 27.405,13.535 ccw(c26.918,13.317) 26.918,13.85 26.165,13.85 ccw(c26.165,13.465) 25.81,13.318 26.014,12.825 ccw(c26.649,13.087) 26.649,12.4 27.206,12.4 ccw(c27.206,12.859)
BAT- on Bottom Layer "BAT-_L04_P016" (solid, pour order 16): 26.1,20.1 26.1,24.35 cw(c26.4,24.35) 26.4,24.65 28.55,24.65 cw(c28.55,24.3) 28.9,24.3 28.9,23.962 cw(c27.784,23.962) 28.573,23.173 27.1,21.7 27.1,20.1
BAT+ on Bottom Layer "BAT+_L04_P003" (solid, pour order 3): 23,25.441 23,28.145 cw(c23.433,27.617) 23.433,28.3 26.81,28.3 cw(c26.81,25.91) 28.5,27.6 cw(c26.931,26.031) 29.15,26.031 29.15,25.55 cw(c28.788,25.55) 29.044,25.294 28.9,25.15 cw(c28.538,25.512) 28.538,25 26,25
+5В on Top Layer "+5В_L01_P017" (solid, pour order 17): 28.754,7.074 28.265,6.855 ccw(c28.483,6.368) 27.95,6.368 27.95,5.615 ccw(c28.335,5.615) 28.482,5.26 28.975,5.464 ccw(c28.713,6.099) 29.4,6.099 29.4,6.656 ccw(c28.941,6.656)
NetR8_2 on Top Layer "NETR8_2_L01_P020" (solid, pour order 20): 0,4.65 8.45,4.65 8.45,15.35 0,15.35
GND on Top Layer "GND_L01_P029" (solid, remove dead copper, pour order 29): 0,0 0,32 32,32 32,0
GND on GND "GND_L02_P030" (solid, remove dead copper, pour order 30): 0,0 0,32 32,32 32,0
+5В on GND (Mid2) "+5В_L03_P031" (solid, pour order 31): 28.754,7.074 28.265,6.855 ccw(c28.483,6.368) 27.95,6.368 27.95,5.615 ccw(c28.335,5.615) 28.482,5.26 28.975,5.464 ccw(c28.713,6.099) 29.4,6.099 29.4,6.656 ccw(c28.941,6.656)
GND on GND (Mid2) "GND_L03_P032" (solid, remove dead copper, pour order 32): 0,0 0,31.994 32,31.994 32,0

## Keep-outs
Keep-Out Layer:
  the board outline again, w0.1

## Other copper
Top Layer:
  pour cut-out: 8.45,4.65 7.25,4.65 7.25,6 5.8,6 3.95,9.05 3.95,12.1 5.8,14 5.8,15.228 8.45,15.228
Bottom Layer:
  pour cut-out: 8.467,4.691 7.267,4.691 7.267,6.041 5.817,6.041 3.967,9.091 3.967,12.141 5.817,14.041 7.617,14.041 7.617,14.691 7.372,14.824 7.372,15.479 8.467,15.141

## Silkscreen, mask and mechanical layers (free items; w line width, h text height)
Top Overlay:
  rectangle: 3.73,18.05 4.325,18.9
  rectangle: 3.73,16.25 4.325,17.1
  rectangle: 5.775,16.25 6.025,17.85
  rectangle: 5.775,18.05 6.025,19.65
  rectangle: 6.75,28.4 7.15,29
  region: 25.248,31.95 24.798,31.95 24.798,30.95 25.248,30.95
  region: 7.148,31.95 6.798,31.95 6.798,30.95 7.148,30.95
  rectangle: 24.85,0.05 25.2,1.05
  rectangle: 6.75,0.05 7.2,1.05
  lines w0.15: 3.73,20.82 3.73,24.08 ; 4.838,28.36 19.538,28.36 19.538,29.04 4.838,29.04 4.838,28.36 ; 4.838,30.9 27.158,30.9 27.158,31.9 4.838,31.9 4.838,30.9 ; 4.84,0.1 27.16,0.1 27.16,1.1 4.84,1.1 4.84,0.1 ; 19.85,23.7 20.9,23.7 20.9,26.5 19.85,26.5 19.85,23.7
  text "D2" at 6.843,31.9 h1.2 r180
  text "D3" at 9.653,31.9 h1.2 r180
  text "GND" at 12.193,31.9 h1.2 r180
  text "5В" at 14.733,31.9 h1.2 r180
  text "D11" at 17.273,31.9 h1.2 r180
  text "GND" at 19.813,31.9 h1.2 r180
  text "5В" at 22.353,31.9 h1.2 r180
  text "SDA" at 24.865,31.9 h1.2 r180
  text "SCL" at 27.158,31.9 h1.2 r180
  text "D5" at 6.8,29.05 h0.8 r180
  text "D6" at 9.653,29.05 h0.8 r180
  text "D10" at 12.193,29.05 h0.8 r180
  text "D12" at 14.733,29.05 h0.8 r180
  text "RESET" at 19.309,29.045 h0.8 r180
  text "D13" at 17.245,29.04 h0.8 r180
  text "PWR" at 1,26.785 h1.2
  text "RST" at 20.8,23.75 h1.2 r90
  text "CHG" at 16.975,23.075 h1.2 r90
  text "CHRG" at 4.6,20.75 h1.2 r90
  text "BATT" at 5.4,20.75 h1.2 r90
  text "+" at 3.73,18.9 h1.2
  text "TX" at 4.325,18.05 h1.52
  text "+" at 3.73,17.1 h1.2
  text "RX" at 4.325,16.25 h1.52
  text "GND" at 4.84,0.1 h1.2
  text "5В" at 7.133,0.1 h1.2
  text "D0" at 9.645,0.1 h1.2
  text "D1" at 12.185,0.1 h1.2
  text "A0" at 14.725,0.1 h1.2
  text "A1" at 17.265,0.1 h1.2
  text "A2" at 19.805,0.1 h1.2
  text "A3" at 22.345,0.1 h1.2
  text "GND" at 25.155,0.1 h1.2
Bottom Overlay:
  lines w0.1: 4.552,1.104 14.452,1.104
  lines w0.15: 4.85,30.9 14.75,30.9 14.75,28.75 4.85,28.75 4.85,30.9 ; 4.85,30.9 27.15,30.9 27.15,31.95 4.85,31.95 4.85,30.9 ; 4.548,0.08 14.448,0.08 14.448,2.951 4.548,2.951 4.548,0.08 ; 12.15,26.5 19.75,26.5 19.75,30.9 12.15,30.9 12.15,26.5 ; 17.246,28.7 27.146,28.7 27.146,30.9 17.246,30.9 17.246,28.7
  text "INTERRUPT" at 12.15,30.95 h1.4
  text "ISCP" at 19.75,30.95 h1.4
  text "I2C" at 27.15,30.95 h1.4
  text "+" at 26.4,24.975 h1.8 r90
  text "-" at 26.4,22.775 h2.5 r90
  text "+" at 24.325,3.325 h2.3
  text "UART" at 4.55,1.075 h1.4 r180
Mechanical 1:
  circle w0.013: c29.506,2.506 r1.6
  circle w0.013: c29.506,29.506 r1.6
  circle w0.013: c2.506,29.506 r1.6
  circle w0.013: c2.506,2.506 r1.6
  lines w0.013: 0.006,2.506 ccw(c2.506,2.506) 2.506,0.006 29.506,0.006 ccw(c29.506,2.506) 32.006,2.506 32.006,29.506 ccw(c29.506,29.506) 29.506,32.006 2.506,32.006 ccw(c2.506,29.506) 0.006,29.506 0.006,2.506